# Altium PCB CalibratorPCB_v2.PcbDoc (part 2 of 3) (continued)
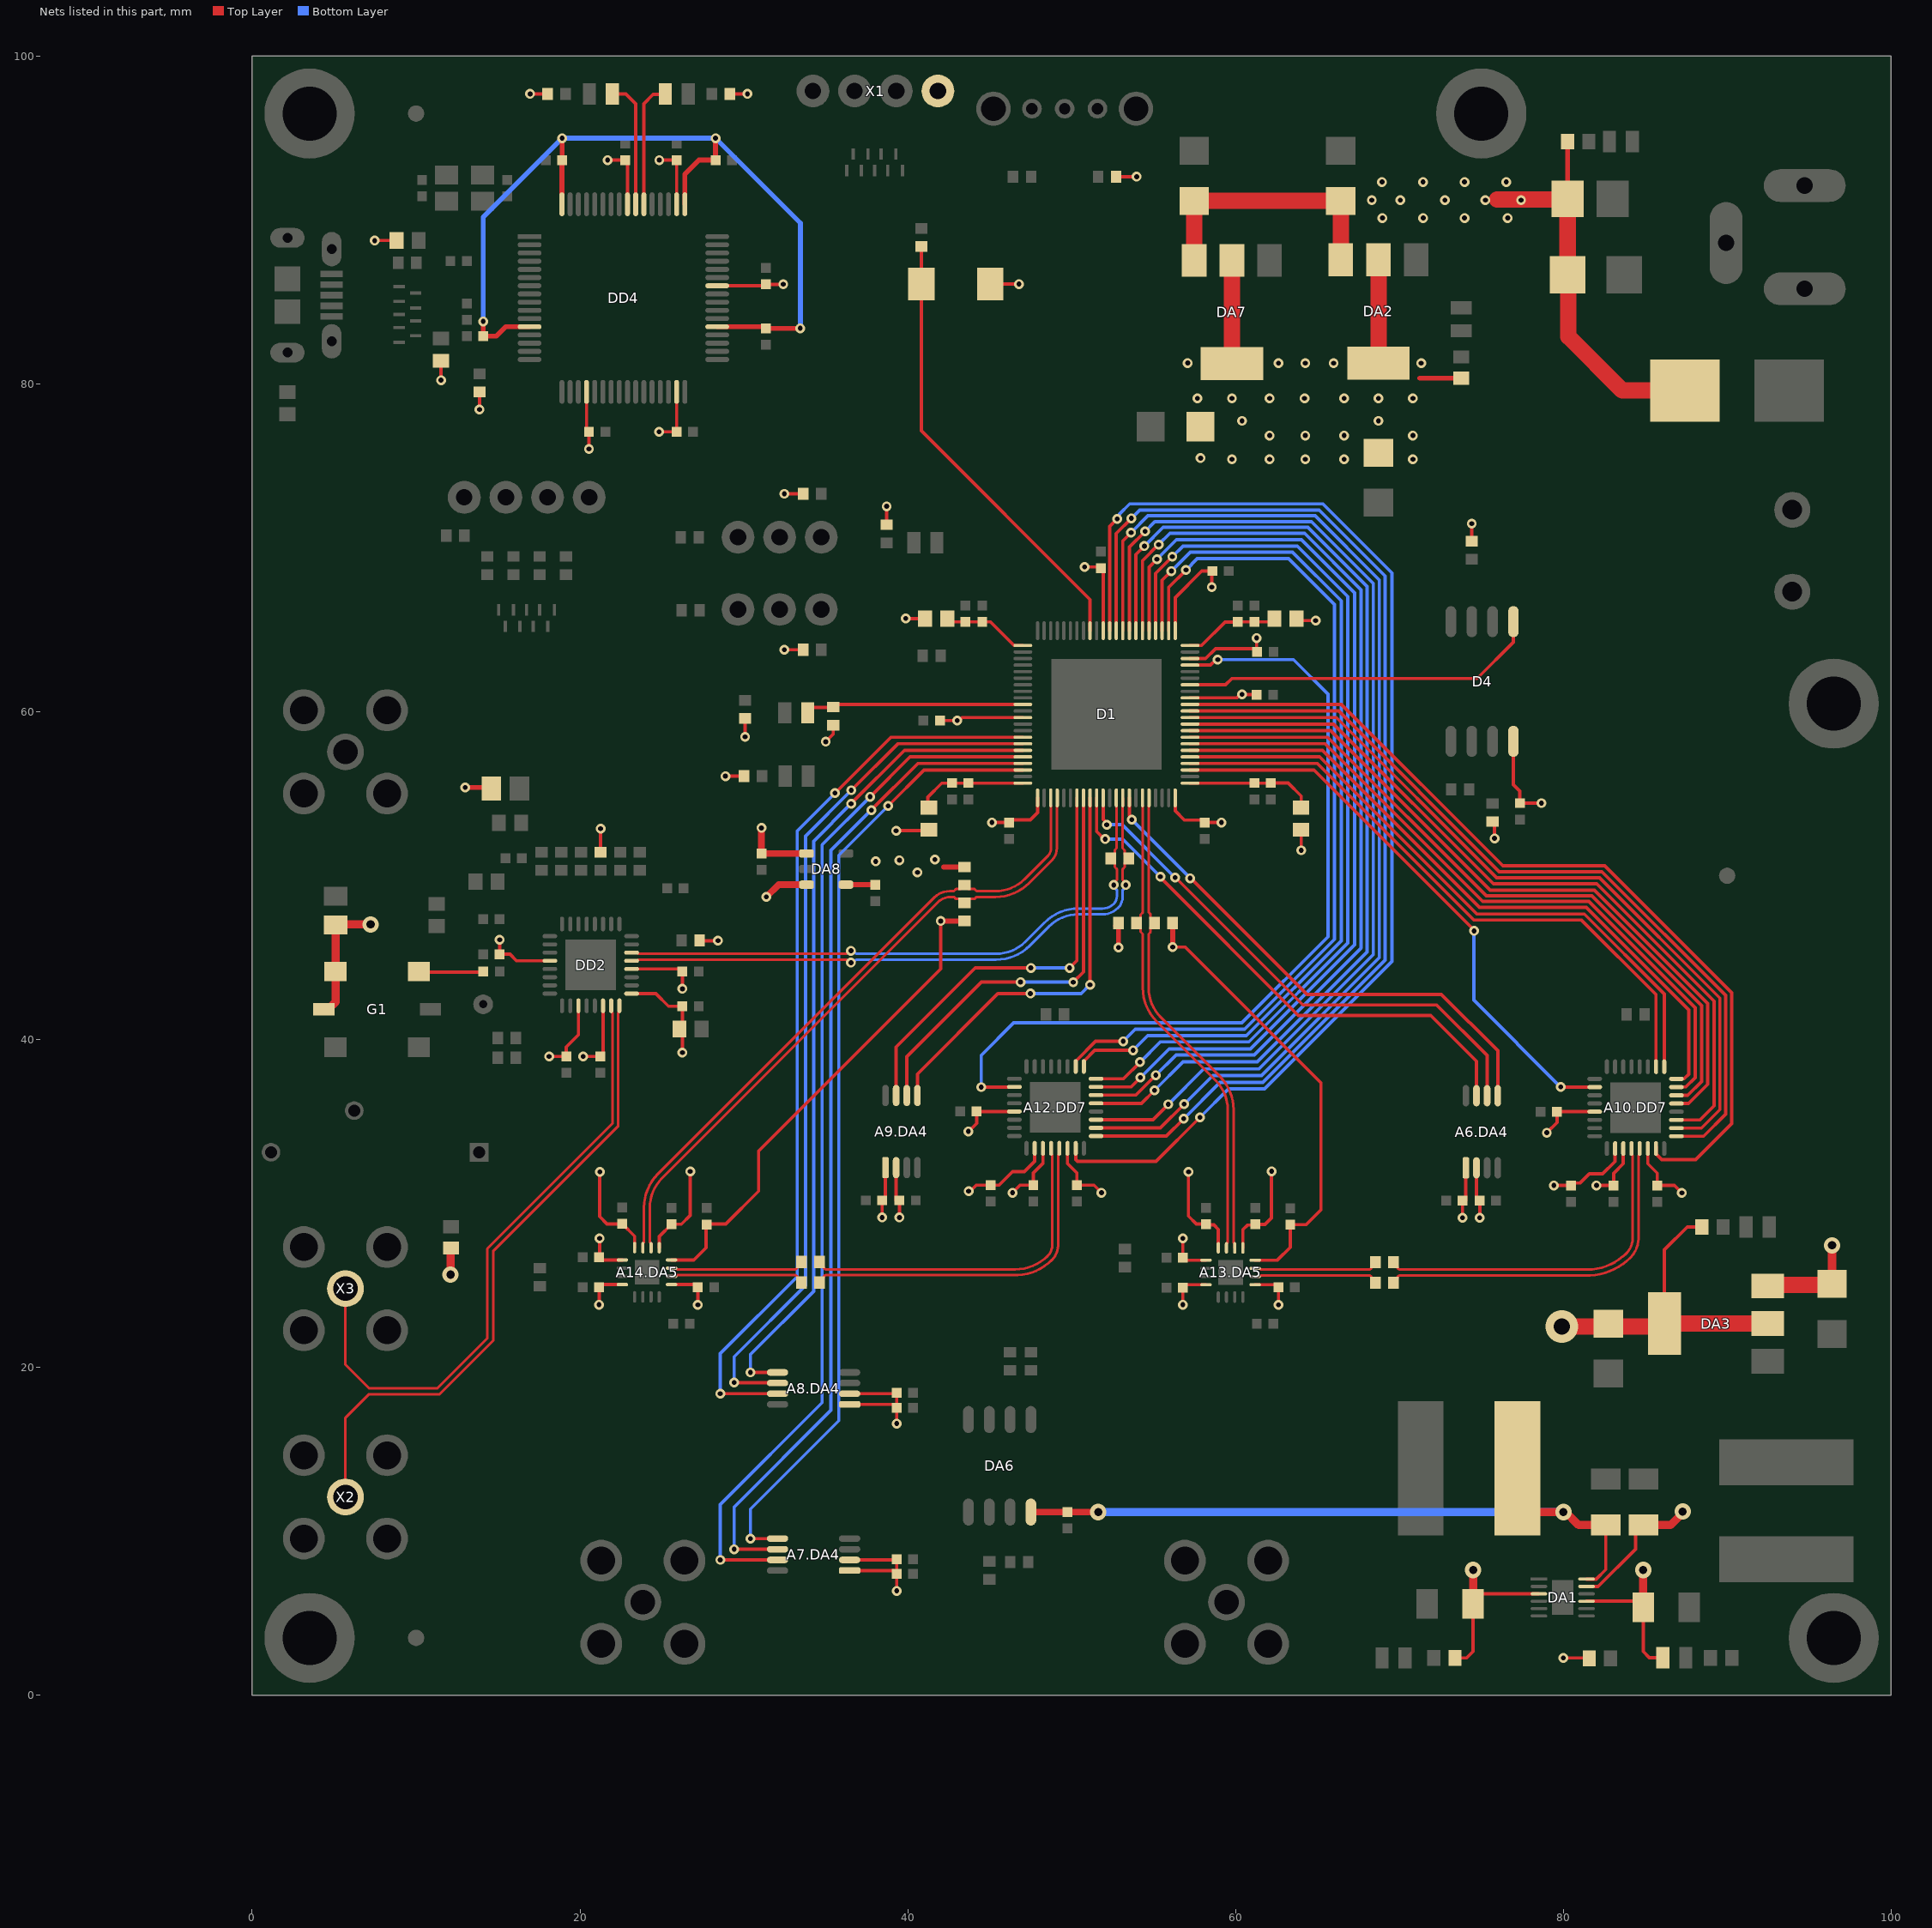
[diagram p4: the nets of this part, all layers, seen from the top]
## Part data (continued)
VD1: library part SMBJ6.0A, Manufacturer="RUILON(Shenzhen Ruilongyuan Elec)", ManufacturerAlt=JLCPCB, MPNAlt=C10205, Package=DO-214AA, Power=5W, Tolerance=5%, Voltage=6V, BOMDescription="SMD Diode_zener DO-214AA 6V 5% 6V  SMBJ6.0A", CFootprint=DO-214AA, ClassName=Diode_zener, ComponentLink1Description=Datasheet, ComponentLink1URL=https://www.littelfuse.com/~/media/electronics/datasheets/tvs_diodes/littelfuse_tvs_diode_smbj_datasheet.pdf.pdf, ComponentLink2Description="Datasheet 2", ComponentLink2URL=https://datasheet.lcsc.com/lcsc/1809050331_RUILON-Shenzhen-Ruilongyuan-Elec-SMBJ6.0A_C10205.pdf, Height="2.610 mm", MntType=SMD, MPN=SMBJ6.0A, MSL="MSL 1", Part Number=SMBJ6.0A, PartType=Diode_zener, Pins=2, RoHS=Comply, Weight="93 mg"
X1: Package=CONNPLS4, BOMDescription="DIP CONNECTOR CONNPLS4     PLS4", CFootprint=PLS4, ClassName=Connector, ComponentLink1Description=Datasheet, MntType=DIP, MPN=PLS4, MSL="MSL 1", Part Number=PLS4, PartType=CONNECTOR, Pins=4, RoHS=Comply, System=Connector, Wire1=WIRE_1, Wire2=WIRE_2, Wire3=WIRE_3, Wire4=WIRE_4
X2 X3 X4 X5 X6: library part SMA_WR_60311042114502, Manufacturer=WE, MPN=60311042114502, CFootprint=60311042114502, ClassName=SMA, ComponentLink1Description=Datasheet, ComponentLink1URL=https://katalog.we-online.de/em/datasheet/60311042114502.pdf, MntType=SMD, MSL="MSL 1", Part Number=SMA_WR_60311042114502, PartType=SMA, Pins=5, RoHS=Comply
  X2 X3: BOMDescription="SMD SMA  Value    60311042114502"
  X4 X5 X6: BOMDescription="SMD SMA  =Value    60311042114502"
X7: library part CUI_PJ-002AH, Manufacturer=CUI, BOMDescription="DIP CONNECTOR PJ-002AH     PJ-002AH", CFootprint=PJ-002AH, MntType=DIP, MPN=PJ-002AH, MSL="MSL 1", Package=PJ-002AH, Part Number=CUI_PJ-002AH, PartType=CONNECTOR, Pins=3, RoHS=Comply
X8: Manufacturer=DEGSON, BOMDescription="DIP CONNECTOR  DG390-5.0-02P    DG390-5.0-02P", CFootprint=DG390-5.0-02P, ClassName=Connector, ComponentLink1Description=Datasheet, ComponentLink1URL=https://www.degson.com/content/details_552_878975.html?lang=en, MntType=DIP, MPN=DG390-5.0-02P, MSL="MSL 1", Part Number=DG390-5.0-02P, PartType=CONNECTOR, Pins=2, RoHS=Comply, System=Connector, Wire1=GND, Wire2=+5V
X9: library part 10118194-0001LF, "USB 2.0 Micro-B Female Connector", Manufacturer=Amphenol, ManufacturerAlt=JLCPCB, MPNAlt=C132563, Package=AMPHENOL_10118194-0001LF, BOMDescription="SMD/TH CONNECTOR AMPHENOL_10118194-0001LF USB Micro-B Connector    10118194-0001LF", CFootprint=AMPHENOL_10118194-0001LF, ClassName=Connector, ComponentLink1Description=Datasheet, ComponentLink1URL=https://cdn.amphenol-icc.com/media/wysiwyg/files/drawing/10118194.pdf, MntType=SMD/TH, MPN=10118194-0001LF, MSL="MSL 1", Part Number=10118194-0001LF, PartType=CONNECTOR, Pins=6, RoHS=Comply, System=Connector
X10: "JTAG Header", Package=CONNPLS4, BOMDescription="DIP CONNECTOR CONNPLS4     PLS4", CFootprint=PLS4, ClassName=Connector, ComponentLink1Description=Datasheet, MntType=DIP, MPN=PLS4, MSL="MSL 1", Part Number=PLS4, PartType=CONNECTOR, Pins=4, RoHS=Comply, System=Connector, Wire1=TMS, Wire2=TDO, Wire3=TDI, Wire4=TCK
XS1 XS2: library part Jumper_PLS3, BOMDescription="TH Jumper PLS3 Value    PLS3", CFootprint=PLS3, ClassName=Jumper, ComponentLink1Description=Datasheet, ComponentLink1URL=https://static.chipdip.ru/lib/977/DOC005977245.pdf, MntType=TH, MPN=PLS3, MSL="MSL 1", Package=PLS3, Part Number=Jumper_PLS3, PartType=Jumper, Pins=3, RoHS=Comply
ZQ1: library part X3S012000BA1HA-X, Manufacturer="HELE(HARMONY ELEC)", Package=SMD3225, BOMDescription=X3S012000BA1HA-X, CFootprint=TSX-3225_V, ClassName=CRYSTAL, ComponentLink1Description=Datasheet, ComponentLink1URL=https://datasheet.lcsc.com/lcsc/1811121833_HELE-Harmony-Elec-X3S012000BA1HA-X_C254364.pdf, MntType=SMD, MPN=X3S012000BA1HA-X, MSL="MSL 1", Part Number=X3S012000BA1HA-X, PartType=CRYSTAL, Pins=4, RoHS=Comply
OTH1 OTH2 OTH3: BOMDescription=SMD, CFootprint=REPER_D1.0MM, ClassName=Reper, ComponentLink1Description=Datasheet, MntType=SMD, MSL="MSL 1", Part Number=REPER_D1.0MM, RoHS=Comply
X11: BOMDescription=SMD, CFootprint=PAD-CONNECT-MINI, ClassName=Test_Point, ComponentLink1Description=Datasheet, MntType=SMD, MSL="MSL 1", Part Number=PAD-CONNECT-MINI, RoHS=Comply

## Free pads (board coordinates)
  round 5.5 hole 3.3 paste+0 mask+0.1: M3(3.5,3.5) M3(3.5,96.5) M3(75,96.5) M3(96.5,3.5) M3(96.5,60.5)

## Via types
v1: diameter 0.6, hole 0.3, Top Layer to Bottom Layer, tented both sides, 326 vias
v2: diameter 0.6, hole 0.3, Top Layer to Bottom Layer, 65 vias
v3: diameter 1, hole 0.5, Top Layer to Bottom Layer, tented both sides, 25 vias
v4: diameter 2, hole 1, Top Layer to Bottom Layer, tented both sides, 1 vias
v5: diameter 1.2, hole 0.6, Top Layer to Bottom Layer, tented both sides, 1 vias

## Nets (pads, with @x,y where several pads share a name; then routed paths per layer and width w, separated by ;. In a path a pad name is that pad's centre, name@x,y a point inside that pad or via, vN(x,y) a via of type N, cw(c..) or ccw(c..) an arc to the next point about the centre after c; other vN are vias at no path point)
+1V3: A13.C56.2 A13.DA5.8 A14.C56.2 A14.DA5.8 C70.2 DA8.4 R54.2 R55.2 R58.2 R59.2 | length 63.2
  Top Layer w0.2: A14.DA5.8@25.587,26.557 26.951,26.557 27.692,27.297 27.692,28.688 A14.C56.2@27.729,28.725 27.8,28.796 27.839,28.757 28.901,28.757 30.902,30.758 30.902,33.2 42.011,44.309 v1(42.011,47.233) ; v1(56.168,45.65) 56.935,45.65 65.216,37.369 65.216,29.616 64.313,28.713 A13.C56.2@63.343,28.713 63.343,27.323 62.565,26.545 A13.DA5.8@61.201,26.545
  Top Layer w0.3: DA8.4@36.226,49.455 38.002,49.455 cw(c38.002,49.415) C70.2@38.03,49.443 ; v1(41.657,50.984) v1@41.739,50.984 ; v1(42.011,47.233) R59.2@43.472,47.233 ; 42.193,50.53 R58.2@43.472,50.53 ; R54.2@52.69,46.943 R54.2@52.865,47.121 v1(52.865,45.627) ; v1(56.168,45.65) R55.2@56.168,47.121
  other v1: 40.592,50.195 38.043,50.874 39.494,50.943
+3V3: A6.C40.2 A6.C41.2 A6.DA4.1 A6.DA4.2 A7.C40.2 A7.C41.2 A7.DA4.1 A7.DA4.2 A8.C40.2 A8.C41.2 A8.DA4.1 A8.DA4.2 A9.C40.2 A9.C41.2 A9.DA4.1 A9.DA4.2 A10.C62.1 A10.C63.1 A10.C64.1 A10.C65.1 A10.DD7.13 A10.DD7.18 A10.DD7.19 A10.DD7.22 A12.C62.1 A12.C63.1 A12.C64.1 A12.C65.1 A12.DD7.13 A12.DD7.18 A12.DD7.19 A12.DD7.22 C1.1 C2.1 C3.1 C4.1 C5.1 C6.1 C7.1 C9.2 C12.2 C13.1 C14.1 C15.1 C16.1 C17.2 C30.2 C37.1 C42.1 C50.2 C51.2 C52.2 C53.2 C68.1 C69.2 D1.12 D1.23 D1.44 D1.58 D1.64 D1.67 D1.78 D4.8 DA2.2 DA2.4 DA7.2 DA7.4 DA8.1 DA8.3 DD2.1 DD2.4 DD2.20 DD2.27 DD2.30 DD4.20 DD4.31 DD4.42 DD4.50 DD4.56 G1.5 G1.6 L1.1 L2.1 L3.1 L4.1 L5.2 L9.1 L10.1 R1.2 R2.2 R7.2 R10.2 R11.2 R12.2 R14.2 R23.2 R24.2 R25.1 R26.1 R30.2 R32.2 R35.2 R36.2 R37.2 R60.2 SB1.1 X1.1 | length 206.1
  Top Layer w0.2: v1(7.473,88.745) 7.482,88.754 L9.1@8.805,88.754 ; v1(11.523,80.232) L10.1@11.523,81.419 ; v1(13.87,78.441) R35.2@13.87,79.525 ; v1(15.101,46.087) C14.1@15.101,45.209 15.729,45.209 16.129,44.809 DD2.20@18.258,44.809 ; v1(16.961,97.698) R36.2@18.028,97.698 ; v1(18.117,38.971) C15.1@19.168,38.971 19.168,39.547 19.908,40.287 DD2.27@19.908,42.159 ; v1(20.189,38.971) C16.1@21.242,38.971 21.408,39.137 DD2.30@21.408,42.159 ; DD4.20@20.4,79.517 20.4,77.236 C50.2@20.549,77.088 v1(20.549,76.032) ; R23.2@21.258,51.437 v1(21.258,52.865) ; v1(21.69,93.662) C53.2@22.759,93.662 ; DD4.56@22.9,90.967 C53.2@22.9,93.662 ; DD2.1@23.058,42.809 24.624,42.809 25.4,42.032 C12.2@26.25,42.032 v1(26.25,39.209) ; DD2.4@23.058,44.309 C13.1@26.183,44.309 ; v1(24.827,77.082) 25.895,77.082 C51.2@25.9,77.088 DD4.31@25.9,79.517 ; v1(24.841,93.662) C42.1@25.901,93.662 ; DD4.50@25.9,90.967 C42.1@25.9,93.662 ; v1(26.25,43.098) C13.1@26.25,44.156 ; R14.2@27.3,46.05 27.316,46.034 v1(28.424,46.034) ; DD4.42@28.375,85.992 31.262,85.992 C52.2@31.35,86.081 v1(32.406,86.081) ; v1(28.875,56.075) R60.2@30,56.075 ; R37.2@29.152,97.698 v1(30.219,97.698) ; v1(30.075,58.474) R12.2@30.075,59.59 ; v1(32.47,63.785) 33.616,63.785 R2.2@33.623,63.778 ; v1(32.47,73.3) R1.2@33.623,73.3 ; R2.2@33.638,63.785 R2.2@33.645,63.778 ; v1(34.998,58.176) 35.45,58.629 R11.2@35.45,59.19 ; A7.DA4.1@36.035,7.608 A7.DA4.1@36.456,7.608 36.457,7.606 39.128,7.606 A7.C40.2@39.328,7.406 ; A7.DA4.2@36.456,8.258 39.273,8.258 39.328,8.202 A7.C40.2@39.328,7.406 ; A8.DA4.1@36.456,17.747 38.177,17.747 38.178,17.745 39.128,17.745 A8.C40.2@39.328,17.545 ; A8.DA4.2@36.456,18.397 39.13,18.397 39.328,18.595 A8.C40.2@39.328,17.545 ; A9.C40.2@38.44,30.192 38.442,30.191 v1(38.442,29.15) ; A9.C40.2@38.642,30.2 A9.DA4.1@38.642,32.19 ; R10.2@38.714,71.414 v1(38.714,72.539) ; A9.C41.2@39.292,30.2 A9.DA4.2@39.292,32.19 ; v1(39.292,52.747) 41.238,52.747 L2.1@41.29,52.8 ; v1(39.328,6.371) A7.C40.2@39.328,7.406 ; v1(39.328,16.576) A8.C40.2@39.328,17.545 ; v1(39.494,29.15) A9.C41.2@39.494,30.192 ; v1(39.885,65.69) L1.1@41.061,65.69 ; C5.1@41.961,59.465 43.128,59.465 43.313,59.65 D1.12@47.025,59.65 ; v1(43.7,34.4) 43.717,34.4 44.204,34.886 A12.C62.1@44.204,35.615 A12.DD7.13@46.504,35.615 A12.DD7.13@46.624,35.615 ; v1(43.717,30.758) 43.826,30.758 44.185,31.118 A12.C63.1@45.067,31.118 45.566,31.118 46.394,31.946 47.117,31.946 47.74,32.569 47.74,33.48 A12.DD7.18@47.749,33.49 ; SB1.1@45.035,86.098 v1(46.785,86.098) ; v1(45.144,53.247) C3.1@46.198,53.247 46.355,53.405 47.484,53.405 47.925,53.845 D1.23@47.925,54.75 ; v1(46.394,30.661) 46.85,31.118 A12.C64.1@47.665,31.118 47.665,31.86 48.249,32.444 A12.DD7.19@48.249,33.37 A12.DD7.19@48.249,33.49 ; A12.DD7.22@49.749,33.49 A12.DD7.22@49.749,33.37 49.749,32.444 50.325,31.869 A12.C65.1@50.325,31.118 51.369,31.118 v1(51.825,30.661) ; v1(50.791,68.836) 51.725,68.836 C6.1@51.792,68.77 51.925,68.637 D1.78@51.925,64.95 ; R7.2@52.718,92.645 v1(53.968,92.645) ; D1.44@56.325,54.75 56.325,53.957 56.882,53.399 57.965,53.399 C4.1@58.117,53.247 v1(59.145,53.247) ; D1.67@56.325,64.95 56.325,66.975 57.94,68.59 C1.1@58.59,68.59 58.553,68.552 v1(58.553,67.607) ; D1.58@57.225,60.85 60.075,60.85 60.284,61.059 v1(60.392,61.059) 61.263,61.059 C2.1@61.295,61.027 ; D1.64@57.225,63.25 58.177,63.25 58.78,63.853 61.126,63.853 61.291,63.688 v1(61.291,64.501) ; L4.1@63.727,65.588 63.746,65.569 v1(64.892,65.569) ; v1(64.007,51.549) L3.1@64.007,52.8 ; A6.C40.2@73.852,30.18 73.852,29.131 v1(73.854,29.129) ; A6.C40.2@74.054,30.188 A6.DA4.1@74.054,32.178 ; R25.1@74.415,70.4 v1(74.415,71.485) ; A6.C41.2@74.704,30.188 A6.DA4.2@74.704,32.178 ; v1(74.905,29.129) A6.C41.2@74.905,30.18 ; R26.1@75.685,53.304 75.806,53.184 v1(75.806,52.28) ; D4.8@76.955,58.2 76.955,55.553 77.35,55.158 C30.2@77.35,54.429 v1(78.674,54.429) ; v1(78.996,34.325) 79.615,34.945 A10.C62.1@79.615,35.603 A10.DD7.13@81.916,35.603 A10.DD7.13@82.036,35.603 ; v1(79.43,31.106) A10.C63.1@80.479,31.106 80.629,31.256 81.045,31.256 81.595,31.807 82.401,31.807 83.152,32.557 83.152,33.468 A10.DD7.18@83.161,33.478 ; v1(80.009,2.274) 81.563,2.274 R30.2@81.588,2.249 ; v1(82.03,31.106) A10.C64.1@83.077,31.106 83.077,31.848 83.661,32.432 A10.DD7.19@83.661,33.358 A10.DD7.19@83.661,33.478 ; A10.DD7.22@85.161,33.478 A10.DD7.22@85.161,33.358 85.161,32.432 85.737,31.857 A10.C65.1@85.737,31.106 86.78,31.106 v1(87.237,30.65)
  Top Layer w0.3: v1(13.001,55.379) 14.541,55.379 L5.2@14.594,55.326 ; 71.25,80.35 R32.2@73.773,80.35
  Top Layer w0.4: C69.2@31.073,51.356 v1(31.073,52.912) C69.2@31.073,51.386 ; C69.2@31.077,51.325 cw(c31.149,51.253) 31.149,51.355 DA8.1@33.826,51.355 ; v1(31.371,48.703) 32.122,49.455 DA8.3@33.826,49.455
  Top Layer w0.5: G1.6@4.376,41.85 4.64,41.85 5.081,42.291 5.081,46.993 C9.2@5.088,47 5.113,47.025 v3(7.225,47.025) ; v3(12.099,25.663) R24.2@12.099,27.138
  Top Layer w1: DA7.4@59.782,81.246 DA7.2@59.782,87.546 ; DA2.4@68.725,81.275 DA2.2@68.725,87.575
  other v1: 43.02,59.465 59.782,75.403 62.082,75.403 64.26,75.403 66.625,75.403 70.825,75.403 57.869,75.479 62.082,76.859 64.26,76.859 66.625,76.859 70.825,76.859 60.392,77.75 68.725,77.75 57.682,79.118 59.782,79.118 62.082,79.118 64.213,79.118 66.625,79.126 68.725,79.118 70.825,79.126 57.086,81.279 62.625,81.275 64.26,81.275 65.986,81.275 71.327,81.275
+3V3_Analog: A13.C60.1 A13.C61.1 A13.DA5.9 A13.DA5.12 A14.C60.1 A14.C61.1 A14.DA5.9 A14.DA5.12 C39.1 DA3.2 DA3.4 R33.2 | length 44
  Top Layer w0.2: v1(21.22,31.939) 21.2,31.918 21.2,29.212 21.655,28.757 A14.C61.1@22.587,28.757 23.337,28.007 A14.DA5.12@23.337,27.307 ; A14.DA5.9@24.837,27.307 24.837,27.991 A14.C60.1@25.587,28.741 26.191,28.741 26.73,29.28 v1(26.73,31.958) ; v1(57.138,31.939) 57.126,31.927 57.126,29.237 57.619,28.745 A13.C61.1@58.201,28.745 58.254,28.692 58.684,28.692 58.951,28.425 A13.DA5.12@58.951,27.295 ; A13.DA5.9@60.451,27.295 60.451,28.415 60.718,28.682 61.155,28.682 A13.C60.1@61.201,28.729 61.801,28.729 62.199,29.126 v1(62.199,31.968) ; DA3.4@86.175,22.679 86.175,27.185 87.564,28.575 R33.2@88.454,28.575
  Top Layer w0.5: C39.1@82.567,22.496 C39.1@82.749,22.679 C39.1@82.932,22.496 ; DA3.4@85.993,22.496 DA3.4@86.175,22.679
  Top Layer w1: v4(79.906,22.496) C39.1@82.567,22.496 ; C39.1@82.932,22.496 DA3.4@85.993,22.496 ; DA3.4@86.175,22.679 DA3.2@92.475,22.679
+3V3_UnNoised_1: C18.2 C19.1 D1.1 L1.2 | length 5.3
  Top Layer w0.2: L1.2@42.411,65.69 42.611,65.49 C18.2@43.523,65.49 C19.1@44.55,65.49 45.05,65.49 46.49,64.05 D1.1@47.025,64.05
+3V3_UnNoised_22: C20.2 C21.1 D1.22 L2.2 | length 6.5
  Top Layer w0.2: L2.2@41.22,54.441 41.22,54.793 42.077,55.65 D1.22@47.025,55.65
+3V3_UnNoised_45: C22.2 C23.1 D1.45 L3.2 | length 7.5
  Top Layer w0.2: D1.45@57.225,55.65 61.147,55.65 C22.2@62.147,55.65 ; C22.2@62.147,55.659 63.212,55.659 64.007,54.864 L3.2@64.007,54.518
+3V3_UnNoised_66: C24.2 C25.1 D1.66 L4.2 | length 5.8
  Top Layer w0.2: D1.66@57.225,64.05 57.934,64.05 59.366,65.482 60.134,65.482 C25.1@60.142,65.49 C24.2@61.147,65.49 62.179,65.49 L4.2@62.377,65.688
+5V: A13.C57.1 A13.C58.1 A13.DA5.5 A13.DA5.16 A14.C57.1 A14.C58.1 A14.DA5.5 A14.DA5.16 C32.2 DA1.3 R28.1 | length 20.6
  Top Layer w0.2: v1@21.17,23.838 A14.C58.1@21.17,24.888 21.34,25.057 A14.DA5.16@22.587,25.057 ; A14.DA5.5@25.587,25.057 27.023,25.057 A14.C57.1@27.192,24.888 v1(27.192,23.817) ; v1(56.784,23.826) A13.C58.1@56.784,24.876 56.953,25.045 A13.DA5.16@58.201,25.045 ; A13.DA5.5@61.201,25.045 A13.C57.1@62.625,25.045 ; v1(62.625,23.816) A13.C57.1@62.625,24.9 ; R28.1@73.625,2.274 74.099,2.274 74.495,2.67 C32.2@74.495,5.571 ; C32.2@74.495,5.637 75.045,6.188 DA1.3@78.515,6.188
  Top Layer w0.3: C32.2@74.495,5.571 C32.2@74.495,5.637
  Top Layer w0.5: C32.2@74.495,5.637 v3(74.495,7.645)
  other v1: 21.17,23.826
-5V: A13.C59.1 A13.DA5.13 A14.C59.1 A14.DA5.13 C34.2 D6.1 DA1.9 | length 15.1
  Top Layer w0.2: A14.C59.1@21.17,26.673 21.287,26.557 A14.DA5.13@22.587,26.557 ; A14.C59.1@21.17,26.719 21.2,26.748 v1(21.2,27.875) ; A13.C59.1@56.784,26.661 56.901,26.545 A13.DA5.13@58.201,26.545 ; A13.C59.1@56.784,26.707 v1(56.784,27.875) ; DA1.9@81.418,5.737 C34.2@84.882,5.737 ; C34.2@84.882,5.372 84.882,2.668 85.253,2.297 D6.1@86.074,2.297
  Top Layer w0.5: C34.2@84.882,5.372 84.882,5.737 v3(84.882,7.645)
\C\S\: D1.60 D4.1 | length 22.1
  Top Layer w0.2: D1.60@57.225,61.65 59.396,61.65 59.78,62.034 74.739,62.034 76.955,64.25 D4.1@76.955,65.5
A10.Delayed_DelayLine1_N: A10.DD7.20 A13.R43.2 | length 21.2
  Top Layer w0.157: A13.R43.2@69.64,26.42 A13.R43.2@69.848,26.211 ; A13.R43.2@69.848,26.211 cw(c69.756,26.119) 69.886,26.119 ccw(c70.017,26.119) 69.924,26.027 ccw(c70.054,26.157) 70.054,25.973 81.463,25.973 81.465,25.973 ccw(c81.465,29.352) 83.854,26.963 ccw(c82.941,27.876) 84.233,27.876 84.233,32.886 ccw(c84.111,32.886) 84.197,32.972 cw(c84.283,33.058) 84.161,33.058 A10.DD7.20@84.161,33.358
A10.Delayed_DelayLine1_P: A10.DD7.21 A13.R44.2 | length 21.8
  Top Layer w0.157: A13.R44.2@69.64,25.17 A13.R44.2@69.848,25.378 ; A13.R44.2@69.848,25.378 ccw(c69.756,25.47) 69.886,25.47 cw(c70.017,25.47) 69.924,25.562 cw(c70.054,25.432) 70.054,25.616 81.465,25.616 81.467,25.616 ccw(c81.467,29.347) 81.616,25.619 81.641,25.62 ccw(c81.465,29.352) 84.109,26.712 ccw(c82.941,27.876) 84.58,27.702 84.582,27.721 ccw(c82.944,27.875) 84.59,27.875 84.59,32.886 cw(c84.712,32.886) 84.625,32.972 ccw(c84.539,33.058) 84.661,33.058 A10.DD7.21@84.661,33.358
A12.Delayed_DelayLine1_N: A12.DD7.20 A14.R43.2 | length 21
  Top Layer w0.157: A14.R43.2@34.611,26.433 34.819,26.224 cw(c34.727,26.132) 34.857,26.132 ccw(c34.988,26.132) 34.896,26.04 ccw(c35.026,26.17) 35.026,25.986 46.557,25.986 46.559,25.986 ccw(c46.559,28.796) 48.546,26.809 ccw(c47.883,27.473) 48.821,27.473 48.821,32.897 ccw(c48.699,32.897) 48.785,32.984 cw(c48.871,33.07) 48.749,33.07 A12.DD7.20@48.749,33.37
A12.Delayed_DelayLine1_P: A12.DD7.21 A14.R44.2 | length 21.6
  Top Layer w0.157: A14.R44.2@34.611,25.183 34.819,25.391 ccw(c34.727,25.483) 34.857,25.483 cw(c34.988,25.483) 34.896,25.575 cw(c35.026,25.445) 35.026,25.629 46.56,25.629 46.561,25.629 ccw(c46.561,28.791) 46.711,25.633 46.736,25.634 ccw(c46.559,28.796) 48.801,26.559 ccw(c47.883,27.473) 49.166,27.299 49.168,27.315 ccw(c47.885,27.472) 49.178,27.472 49.178,32.897 cw(c49.3,32.897) 49.214,32.984 ccw(c49.127,33.07) 49.249,33.07 A12.DD7.21@49.249,33.37
A13.In_N: A13.DA5.6 A13.R44.1 | length 7.6
  Top Layer w0.157: A13.DA5.6@61.201,25.545 61.412,25.545 ccw(c61.412,25.667) 61.499,25.581 cw(c61.585,25.494) 61.585,25.616 64.692,25.616 ; 64.692,25.616 68.136,25.616 cw(c68.136,25.459) 68.247,25.57 68.255,25.562 cw(c68.163,25.47) 68.293,25.47 ccw(c68.424,25.47) 68.331,25.378 A13.R44.1@68.54,25.17
A13.In_P: A13.DA5.7 A13.R43.1 | length 7.6
  Top Layer w0.157: A13.DA5.7@61.201,26.045 61.412,26.045 cw(c61.412,25.923) 61.499,26.009 ccw(c61.585,26.095) 61.585,25.973 64.84,25.973 68.136,25.973 ccw(c68.136,26.13) 68.247,26.019 68.255,26.027 ccw(c68.163,26.119) 68.293,26.119 cw(c68.424,26.119) 68.331,26.211 A13.R43.1@68.54,26.42
A14.In_N: A14.DA5.6 A14.R44.1 | length 8.2
  Top Layer w0.157: A14.DA5.6@25.587,25.557 25.799,25.557 ccw(c25.799,25.679) 25.885,25.592 cw(c25.971,25.506) 25.971,25.628 29.727,25.628 29.728,25.629 33.107,25.629 cw(c33.107,25.472) 33.218,25.583 33.226,25.575 cw(c33.134,25.483) 33.264,25.483 ccw(c33.395,25.483) 33.303,25.391 A14.R44.1@33.511,25.183
A14.In_P: A14.DA5.7 A14.R43.1 | length 8.2
  Top Layer w0.157: A14.DA5.7@25.587,26.057 25.799,26.057 cw(c25.799,25.935) 25.885,26.021 ccw(c25.971,26.107) 25.971,25.985 29.579,25.985 ; A14.R43.1@33.511,26.433 33.303,26.224 ccw(c33.395,26.132) 33.264,26.132 cw(c33.134,26.132) 33.227,26.04 33.218,26.032 cw(c33.107,26.143) 33.107,25.986 29.58,25.986 ; 29.579,25.985 29.58,25.986
Button_FPGA: D1.80 R9.2 SB1.2 | length 27.7
  Top Layer w0.2: R9.2@40.835,88.398 SB1.2@40.835,86.098 40.835,77.14 51.125,66.85 D1.80@51.125,64.95
CDCM_to_SMA_N: DD2.31 X3.1 | length 38.6
  Top Layer w0.157: X3.1@5.69,24.807 5.69,20.167 7.13,18.727 11.298,18.727 14.345,21.775 14.345,27.242 21.98,34.877 21.98,38.885 21.98,41.642 21.908,41.714 DD2.31@21.908,42.064
CDCM_to_SMA_P: DD2.32 X2.1 | length 39.4
  Top Layer w0.157: X2.1@5.69,12.1 5.69,16.931 7.13,18.37 11.445,18.37 14.702,21.627 14.702,27.094 22.337,34.729 22.337,38.738 22.337,41.642 22.408,41.714 DD2.32@22.408,42.064
Clock_N: D1.36 DD2.5 R15.1 | length 38.2
  Top Layer w0.157: DD2.5@23.058,44.809 DD2.5@23.153,44.809 23.453,44.809 ccw(c23.453,44.931) 23.539,44.845 cw(c23.625,44.758) 23.625,44.88 36.272,44.88 36.456,44.696 v1(36.539,44.696) ; D1.36@53.125,54.75 53.125,54.263 53.103,54.242 53.103,51.682 53.242,51.543 53.242,51.297 R15.1@53.488,51.05 53.242,50.804 53.242,50.53 53.117,50.405 53.117,49.739 53.301,49.555 v1(53.301,49.435)
  Bottom Layer w0.157: v1(36.539,44.696) 36.659,44.696 36.843,44.88 45.398,44.88 ccw(c45.398,47.772) 47.443,45.727 48.615,46.899 cw(c50.411,45.103) 50.411,47.643 51.889,47.643 ccw(c51.889,48.969) 52.826,48.031 52.83,48.035 ccw(c52.135,48.729) 53.117,48.729 53.117,49.131 53.301,49.315 v1(53.301,49.435)
Clock_P: D1.35 DD2.6 R15.2 | length 37.7
  Top Layer w0.157: DD2.6@23.058,45.309 DD2.6@23.153,45.309 23.453,45.309 cw(c23.453,45.187) 23.539,45.273 ccw(c23.625,45.359) 23.625,45.237 36.272,45.237 36.456,45.421 v1(36.539,45.421) ; v1(52.576,49.435) 52.576,49.555 52.76,49.739 52.76,50.405 52.635,50.53 52.635,50.804 R15.2@52.388,51.05 52.635,51.297 52.635,51.57 52.746,51.681 52.746,54.242 52.725,54.263 D1.35@52.725,54.75
  Bottom Layer w0.157: v1(36.539,45.421) 36.659,45.421 36.843,45.237 45.396,45.237 ccw(c45.396,47.777) 47.192,45.981 48.364,47.153 cw(c50.409,45.108) 50.409,48 51.885,48 ccw(c51.885,48.977) 52.576,48.286 ccw(c52.132,48.73) 52.76,48.73 52.76,49.131 52.576,49.315 v1(52.576,49.435)
"Clock_to CDCM": C8.1 G1.4 | length 3.9
  Top Layer w0.2: G1.4@10.175,44.159 10.22,44.114 C8.1@14.094,44.114
Comp_1_N: A13.DA5.10 D1.40 R55.1 | length 29.7
  Top Layer w0.157: D1.40@54.725,54.75 54.725,54.263 54.703,54.242 54.703,47.762 54.822,47.643 54.822,47.368 R55.1@55.068,47.121 54.822,46.875 54.822,46.564 54.702,46.444 54.702,43.151 ccw(c57.242,43.151) 55.446,41.355 59.034,37.767 cw(c56.992,35.725) 59.88,35.725 59.88,27.678 ccw(c60.002,27.678) 59.916,27.592 cw(c59.829,27.506) 59.951,27.506 A13.DA5.10@59.951,27.295
Comp_1_P: A13.DA5.11 D1.39 R54.1 | length 29.7
  Top Layer w0.157: D1.39@54.325,54.75 54.325,54.263 54.346,54.242 54.346,47.762 54.212,47.628 54.212,47.368 R54.1@53.965,47.121 54.212,46.875 54.212,46.578 54.345,46.444 54.345,43.15 ccw(c57.239,43.15) 55.193,41.104 58.779,37.517 cw(c56.983,35.721) 59.523,35.721 59.523,27.678 cw(c59.401,27.678) 59.487,27.592 ccw(c59.573,27.506) 59.451,27.506 A13.DA5.11@59.451,27.295
Comp_2_N: A14.DA5.10 D1.26 R59.1 | length 40.3
  Top Layer w0.157: A14.DA5.10@24.337,27.307 24.337,27.568 24.266,27.64 24.266,29.756 cw(c26.806,29.756) 25.01,31.552 41.835,48.377 cw(c42.622,47.59) 42.622,48.703 42.824,48.703 42.947,48.58 43.225,48.58 R59.1@43.472,48.333 43.718,48.58 44.08,48.58 44.204,48.703 45.357,48.703 ccw(c45.357,51.595) 47.402,49.55 48.8,50.948 ccw(c48.067,51.681) 49.103,51.681 49.103,54.242 49.125,54.263 D1.26@49.125,54.75
Comp_2_P: A14.DA5.11 D1.25 R58.1 | length 40.3
  Top Layer w0.157: A14.DA5.11@23.837,27.307 23.837,27.568 23.909,27.64 23.909,29.758 cw(c26.801,29.758) 24.756,31.803 41.635,48.682 cw(c42.548,47.768) 42.548,49.06 42.824,49.06 42.947,49.184 43.225,49.184 R58.1@43.472,49.43 43.718,49.184 44.08,49.184 44.204,49.06 45.355,49.06 ccw(c45.355,51.6) 47.151,49.804 48.546,51.2 ccw(c48.063,51.682) 48.746,51.682 48.746,54.242 48.725,54.263 D1.25@48.725,54.75
DAC1_SPI_C\S\: A7.DA4.5 D1.20 | length 59
  Top Layer w0.2: v1(30.405,9.558) A7.DA4.5@32.056,9.558 ; v1(38.802,54.263) 40.99,56.45 D1.20@47.025,56.45
  Bottom Layer w0.2: v1(30.405,9.558) 30.405,11.363 35.791,16.749 35.791,51.252 v1(38.802,54.263)
DAC1_SPI_MCLK: A7.DA4.6 D1.19 | length 61.6
  Top Layer w0.2: v1(29.408,8.908) A7.DA4.6@32.056,8.908 ; v1(37.777,54.002) 40.625,56.85 D1.19@47.025,56.85
  Bottom Layer w0.2: v1(29.408,8.908) 29.408,11.483 35.319,17.394 35.319,51.544 v1(37.777,54.002)
DAC1_SPI_MOSI: A7.DA4.7 D1.18 | length 64.2
  Top Layer w0.2: v1(28.563,8.258) A7.DA4.7@32.056,8.258 ; v1(37.711,54.818) 40.143,57.25 D1.18@47.025,57.25
  Bottom Layer w0.2: v1(28.563,8.258) 28.563,11.643 34.774,17.855 34.774,51.881 v1(37.711,54.818)
DAC1_X_SPI_C\S\: A6.DA4.5 D1.37 | length 32.3
  Top Layer w0.2: D1.37@53.525,54.75 53.525,53.677 53.678,53.523 v1(53.678,53.415) ; v1(57.237,49.847) 57.275,49.847 64.359,42.763 72.56,42.763 76.004,39.319 A6.DA4.5@76.004,36.578
  Bottom Layer w0.2: v1(53.678,53.415) 53.678,53.41 57.237,49.851 v1(57.237,49.847)
DAC1_X_SPI_MCLK: A6.DA4.6 D1.33 | length 33.2
  Top Layer w0.2: D1.33@51.925,54.75 51.925,53.43 52.146,53.209 v1(52.146,53.113) ; v1(56.311,49.888) 56.344,49.888 64.115,42.116 72.27,42.116 75.354,39.032 A6.DA4.6@75.354,36.578
  Bottom Layer w0.2: v1(52.146,53.113) 53.086,53.113 v1(56.311,49.888)
DAC1_X_SPI_MOSI: A6.DA4.7 D1.32 | length 33.2
  Top Layer w0.2: D1.32@51.525,54.75 51.525,52.694 51.985,52.234 v1(52.054,52.234) ; v1(55.416,49.939) 55.416,49.893 63.831,41.478 71.915,41.478 74.704,38.689 A6.DA4.7@74.704,36.578
  Bottom Layer w0.2: v1(52.054,52.234) 53.122,52.234 v1(55.416,49.939)
DAC2_SPI_C\S\: A8.DA4.5 D1.17 | length 50.7
  Top Layer w0.2: v1(30.405,19.697) A8.DA4.5@32.056,19.697 ; v1(36.546,54.395) 39.801,57.65 D1.17@47.025,57.65
  Bottom Layer w0.2: v1(30.405,19.697) 30.405,20.787 34.255,24.638 34.255,52.105 v1(36.546,54.395)
DAC2_SPI_MCLK: A8.DA4.6 D1.16 | length 53.4
  Top Layer w0.2: v1(29.408,19.079) 29.424,19.063 32.04,19.063 A8.DA4.6@32.056,19.047 ; v1(36.556,55.214) 39.392,58.05 D1.16@47.025,58.05
  Bottom Layer w0.2: v1(29.408,19.079) 29.408,20.651 33.761,25.004 33.761,52.419 v1(36.556,55.214)
DAC2_SPI_MOSI: A8.DA4.7 D1.15 | length 55.9
  Top Layer w0.2: v1(28.563,18.395) v1(28.563,18.395) 32.055,18.396 A8.DA4.7@32.056,18.397 ; v1(35.564,55.043) 38.971,58.45 D1.15@47.025,58.45
  Bottom Layer w0.2: v1(28.563,18.395) 28.563,20.842 33.255,25.533 33.255,52.734 v1(35.564,55.043)
DAC2_X_SPI_C\S\: A9.DA4.5 D1.31 | length 25.5
  Top Layer w0.2: A9.DA4.5@40.592,36.59 40.592,37.9 45.501,42.809 v1(47.484,42.809) ; v1(51.125,43.35) D1.31@51.125,54.75
  Bottom Layer w0.2: v1(47.484,42.809) 50.584,42.809 v1(51.125,43.35)
DAC2_X_SPI_MCLK: A9.DA4.6 D1.30 | length 25.7
  Top Layer w0.2: A9.DA4.6@39.942,36.765 39.942,38.954 44.499,43.512 v1(46.884,43.512) ; v1(50.099,43.506) 50.725,44.132 D1.30@50.725,54.75
  Bottom Layer w0.2: v1(46.884,43.512) 46.886,43.509 50.097,43.509 v1(50.099,43.506)
DAC2_X_SPI_MOSI: A9.DA4.7 D1.29 | length 25.9
  Top Layer w0.2: A9.DA4.7@39.292,36.765 39.292,39.545 44.122,44.375 v1(47.509,44.375) ; v1(49.875,44.375) 50.325,44.825 D1.29@50.325,54.75
  Bottom Layer w0.2: v1(47.509,44.375) v1(49.875,44.375)
Delay1_0: A10.DD7.2 D1.48 | length 38.7
  Top Layer w0.2: D1.48@57.225,56.85 64.997,56.85 74.555,47.292 81.108,47.292 85.661,42.739 A10.DD7.2@85.661,38.348
Delay1_1: A10.DD7.1 D1.49 | length 39.4
  Top Layer w0.2: D1.49@57.225,57.25 65.135,57.25 74.72,47.664 81.285,47.664 86.161,42.788 A10.DD7.1@86.161,38.348
Delay1_2: A10.DD7.32 D1.50 | length 41.9
  Top Layer w0.2: D1.50@57.225,57.65 65.305,57.65 74.893,48.062 81.397,48.062 87.653,41.806 87.653,37.89 87.376,37.612 A10.DD7.32@86.796,37.612
Delay1_3: A10.DD7.31 D1.51 | length 43.1
  Top Layer w0.2: D1.51@57.225,58.05 65.475,58.05 75.082,48.443 81.554,48.443 88.048,41.949 88.048,37.681 87.479,37.112 86.916,37.112 A10.DD7.31@86.906,37.103
Delay1_4: A10.DD7.30 D1.52 | length 44.5
  Top Layer w0.2: D1.52@57.225,58.45 65.629,58.45 75.306,48.773 81.743,48.773 88.437,42.079 88.437,37.449 87.591,36.603 A10.DD7.30@86.906,36.603
Delay1_5: A10.DD7.29 D1.53 | length 45.8
  Top Layer w0.2: D1.53@57.225,58.85 65.808,58.85 75.538,49.12 81.905,49.12 88.817,42.208 88.817,37.273 87.647,36.103 A10.DD7.29@86.906,36.103
Delay1_6: A10.DD7.27 D1.54 | length 48
  Top Layer w0.2: D1.54@57.225,59.25 65.986,59.25 75.735,49.501 82.043,49.501 89.197,42.347 89.197,35.966 88.334,35.103 A10.DD7.27@86.906,35.103
Delay1_7: A10.DD7.26 D1.55 | length 49.3
  Top Layer w0.2: D1.55@57.225,59.65 66.157,59.65 75.925,49.882 82.21,49.882 89.559,42.533 89.559,35.73 88.432,34.603 A10.DD7.26@86.906,34.603
Delay1_8: A10.DD7.25 D1.56 | length 50.7
  Top Layer w0.2: D1.56@57.225,60.05 66.294,60.05 76.098,50.246 82.356,50.246 89.903,42.699 89.903,35.446 88.56,34.103 A10.DD7.25@86.906,34.103
Delay1_9: A10.DD7.23 D1.57 | length 54.4
  Top Layer w0.2: D1.57@57.225,60.45 66.464,60.45 76.313,50.601 82.529,50.601 90.274,42.857 90.274,34.877 88.079,32.683 86.011,32.683 85.677,33.016 A10.DD7.23@85.677,33.461
Delay2_0: A12.DD7.2 D1.68 | length 54.3
  Top Layer w0.2: A12.DD7.2@50.249,38.36 50.266,38.376 50.266,38.701 51.465,39.9 v1(53.15,39.9) ; D1.68@55.925,64.95 55.925,67.595 v1(56.979,68.65)
  Bottom Layer w0.2: v1(53.15,39.9) 53.88,40.63 60.557,40.63 66.043,46.115 66.043,66.54 63.241,69.341 57.671,69.341 v1(56.979,68.65)
Delay2_1: A12.DD7.1 D1.69 | length 55.8
  Top Layer w0.2: A12.DD7.1@50.749,38.36 50.766,38.376 50.766,38.701 51.415,39.35 v1(53.75,39.35) ; D1.69@55.525,64.95 55.525,68.024 v1(56.088,68.587)
  Bottom Layer w0.2: v1(53.75,39.35) 54.641,40.241 60.659,40.241 66.45,46.033 66.45,66.767 63.47,69.748 57.248,69.748 v1(56.088,68.587)
Delay2_2: A12.DD7.32 D1.70 | length 57.1
  Top Layer w0.2: A12.DD7.32@51.494,37.615 53.163,37.615 v1(54.175,38.627) ; D1.70@55.125,64.95 55.125,68.444 v1(56.145,69.465)
  Bottom Layer w0.2: v1(54.175,38.627) 55.409,39.861 60.818,39.861 66.857,45.901 66.857,67.031 63.776,70.113 56.793,70.113 v1(56.145,69.465)
Delay2_3: A12.DD7.31 D1.71 | length 59.3
  Top Layer w0.2: A12.DD7.31@51.494,37.115 53.629,37.115 v1(54.202,37.687) ; D1.71@54.725,64.95 54.725,68.826 v1(55.205,69.306)
  Bottom Layer w0.2: v1(54.202,37.687) 55.952,39.437 60.914,39.437 67.262,45.785 67.262,67.263 64.029,70.495 56.394,70.495 v1(55.205,69.306)
Delay2_4: A12.DD7.30 D1.72 | length 61.5
  Top Layer w0.2: A12.DD7.30@51.494,36.615 53.924,36.615 v1(55.14,37.831) ; D1.72@54.325,64.95 54.325,69.217 v1(55.311,70.203)
  Bottom Layer w0.2: v1(55.14,37.831) 56.376,39.066 61.141,39.066 67.666,45.591 67.666,67.444 64.219,70.891 55.999,70.891 v1(55.311,70.203)
Delay2_5: A12.DD7.29 D1.73 | length 63.6
  Top Layer w0.2: A12.DD7.29@51.494,36.115 54.265,36.115 v1(55.056,36.906) ; D1.73@53.925,64.95 53.925,69.598 v1(54.438,70.112)
  Bottom Layer w0.2: v1(54.438,70.112) 55.582,71.256 64.422,71.256 68.024,67.654 68.024,45.341 61.334,38.651 56.802,38.651 v1(55.056,36.906)
Delay2_6: A12.DD7.27 D1.74 | length 65.9
  Top Layer w0.2: A12.DD7.27@51.494,35.115 54.962,35.115 v1(55.902,36.055) ; D1.74@53.525,64.95 53.525,70.047 v1(54.481,71.004)
  Bottom Layer w0.2: v1(54.481,71.004) 55.081,71.604 64.641,71.604 68.407,67.838 68.407,45.187 61.433,38.212 58.059,38.212 v1(55.902,36.055)
Delay2_7: A12.DD7.26 D1.75 | length 68
  Top Layer w0.2: A12.DD7.26@51.494,34.615 55.418,34.615 v1(56.872,36.068) ; D1.75@53.125,64.95 53.125,70.429 v1(53.628,70.932)
  Bottom Layer w0.2: v1(53.628,70.932) 54.655,71.959 64.854,71.959 68.775,68.038 68.775,45.008 61.582,37.815 58.618,37.815 v1(56.872,36.068)
Delay2_8: A12.DD7.25 D1.76 | length 70.1
  Top Layer w0.2: A12.DD7.25@51.494,34.115 55.783,34.115 v1(56.844,35.176) ; D1.76@52.725,64.95 52.725,70.877 v1(53.652,71.805)
  Bottom Layer w0.2: v1(53.652,71.805) 54.153,72.306 65.109,72.306 69.124,68.291 69.124,44.847 61.666,37.39 59.058,37.39 v1(56.844,35.176)
Delay2_9: A12.DD7.23 D1.77 | length 74.8
  Top Layer w0.2: A12.DD7.23@50.249,33.37 50.249,32.685 50.366,32.567 55.143,32.567 v1(57.833,35.258) ; D1.77@52.325,64.95 52.325,71.316 v1(52.784,71.776)
  Bottom Layer w0.2: v1(52.784,71.776) 52.784,71.884 52.931,72.032 52.931,72.077 53.541,72.687 65.33,72.687 69.548,68.469 69.548,44.763 61.777,36.992 59.568,36.992 v1(57.833,35.258)
DONE: D1.10 D3.2 R11.1 | length 13.6
  Top Layer w0.2: D3.2@33.852,59.74 33.852,59.922 34.195,60.265 R11.1@35.45,60.265 ; R11.1@35.45,60.29 35.61,60.45 D1.10@47.025,60.45
Enable_1: A10.DD7.10 D1.47 | length 35.2
  Top Layer w0.2: D1.47@57.225,56.45 64.799,56.45 74.562,46.687 v1(74.562,46.632) ; v1(79.84,37.108) 79.843,37.105 81.913,37.105 A10.DD7.10@81.916,37.103
  Bottom Layer w0.2: v1(74.562,46.632) 74.542,46.612 74.542,42.406 v1(79.84,37.108)
Enable_2: A12.DD7.10 D1.63 | length 52.5
  Top Layer w0.2: v1(44.486,37.101) 44.493,37.108 46.617,37.108 A12.DD7.10@46.624,37.115 ; D1.63@57.225,62.85 58.47,62.85 58.806,63.186 v1(58.915,63.186)
  Bottom Layer w0.2: v1(44.486,37.101) 44.486,39.046 46.465,41.025 60.393,41.025 65.644,46.276 65.644,61.081 63.539,63.186 v1(58.915,63.186)
FTDI_1V8: C43.2 C44.1 C45.1 C46.1 DD4.12 DD4.37 DD4.49 DD4.64 | length 54.7
  Top Layer w0.3: v1(14.093,83.821) C44.1@14.093,82.917 14.893,82.917 15.468,83.492 DD4.12@16.925,83.492 ; DD4.64@18.9,90.967 18.9,93.655 C46.1@18.908,93.662 v1(18.908,94.995) ; DD4.49@26.4,90.967 26.4,92.8 27.263,93.662 C43.2@28.273,93.662 v1(28.273,94.995) ; DD4.37@28.375,83.492 C45.1@31.35,83.492 ; C45.1@31.35,83.392 31.354,83.396 33.436,83.396 v1(33.44,83.4)
  Bottom Layer w0.3: v1(14.093,83.821) 14.093,90.181 v1(18.908,94.995) v1(28.273,94.995) 33.448,89.819 33.448,83.408 v1(33.44,83.4)
FTDI_RX_LED: D11.1 DD4.54 | length 7.7
  Top Layer w0.2: DD4.54@23.9,90.967 23.9,97.098 24.463,97.661 25.165,97.661 D11.1@25.202,97.698
FTDI_TX_LED: D10.1 DD4.55 | length 7.9
  Top Layer w0.2: D10.1@21.978,97.652 D10.1@22.024,97.698 ; D10.1@21.978,97.698 D10.1@22.024,97.698 ; DD4.55@23.4,90.967 23.4,97.098 22.8,97.698 D10.1@22.024,97.698
Fused_5V: C31.2 C33.2 C35.1 C36.1 C38.1 C66.2 C67.1 DA1.11 DA1.12 DA2.3 DA3.3 DA6.8 DA7.3 FU1.2 L6.1 R31.2 VD1.1 | length 99.6
  Top Layer w0.2: DA1.11@81.418,6.638 82.124,6.638 84.406,8.919 84.406,9.895 C33.2@84.902,10.391 ; DA1.12@81.418,7.087 82.013,7.087 82.592,7.666 C31.2@82.592,10.383
  Top Layer w0.3: C35.1@80.265,91.295 R31.2@80.265,94.79
  Top Layer w0.4: DA6.8@47.515,11.176 C66.2@49.749,11.176 v3(51.624,11.176)
  Top Layer w0.5: C36.1@66.408,91.16 C36.1@66.424,91.176 ; L6.1@77.2,13.85 77.2,12.326 78.35,11.176 v3(80.009,11.176) 80.144,11.176 80.937,10.383 C31.2@82.592,10.383 ; C35.1@80.262,91.298 C35.1@80.265,91.295 ; C31.2@82.591,10.399 C31.2@82.599,10.391 ; C33.2@84.902,10.391 86.552,10.391 87.287,11.126 v3(87.287,11.212) ; C38.1@96.4,25.1 v3(96.4,27.446)
  Top Layer w1: DA7.3@57.482,87.546 C67.1@57.482,91.176 C36.1@66.392,91.176 ; DA2.3@66.425,87.575 C36.1@66.425,91.174 ; C36.1@66.481,91.225 C36.1@66.505,91.2 ; 75.96,91.26 80.23,91.26 C35.1@80.265,91.295 VD1.1@80.265,86.66 ; VD1.1@80.312,86.35 80.312,82.888 83.6,79.6 FU1.2@87.412,79.6 ; DA3.3@92.475,24.979 92.536,25.039 96.339,25.039 C38.1@96.4,25.1
  Bottom Layer w0.5: v3(51.624,11.176) v3(80.009,11.176)
  other v1: 68.969,90.126 71.455,90.126 73.975,90.126 76.612,90.126 68.316,91.217 70.05,91.217 72.775,91.217 75.25,91.217 77.425,91.217 68.941,92.325 71.45,92.325 73.975,92.325 76.525,92.325